# KiCad board PC110.kicad_pcb (continued)
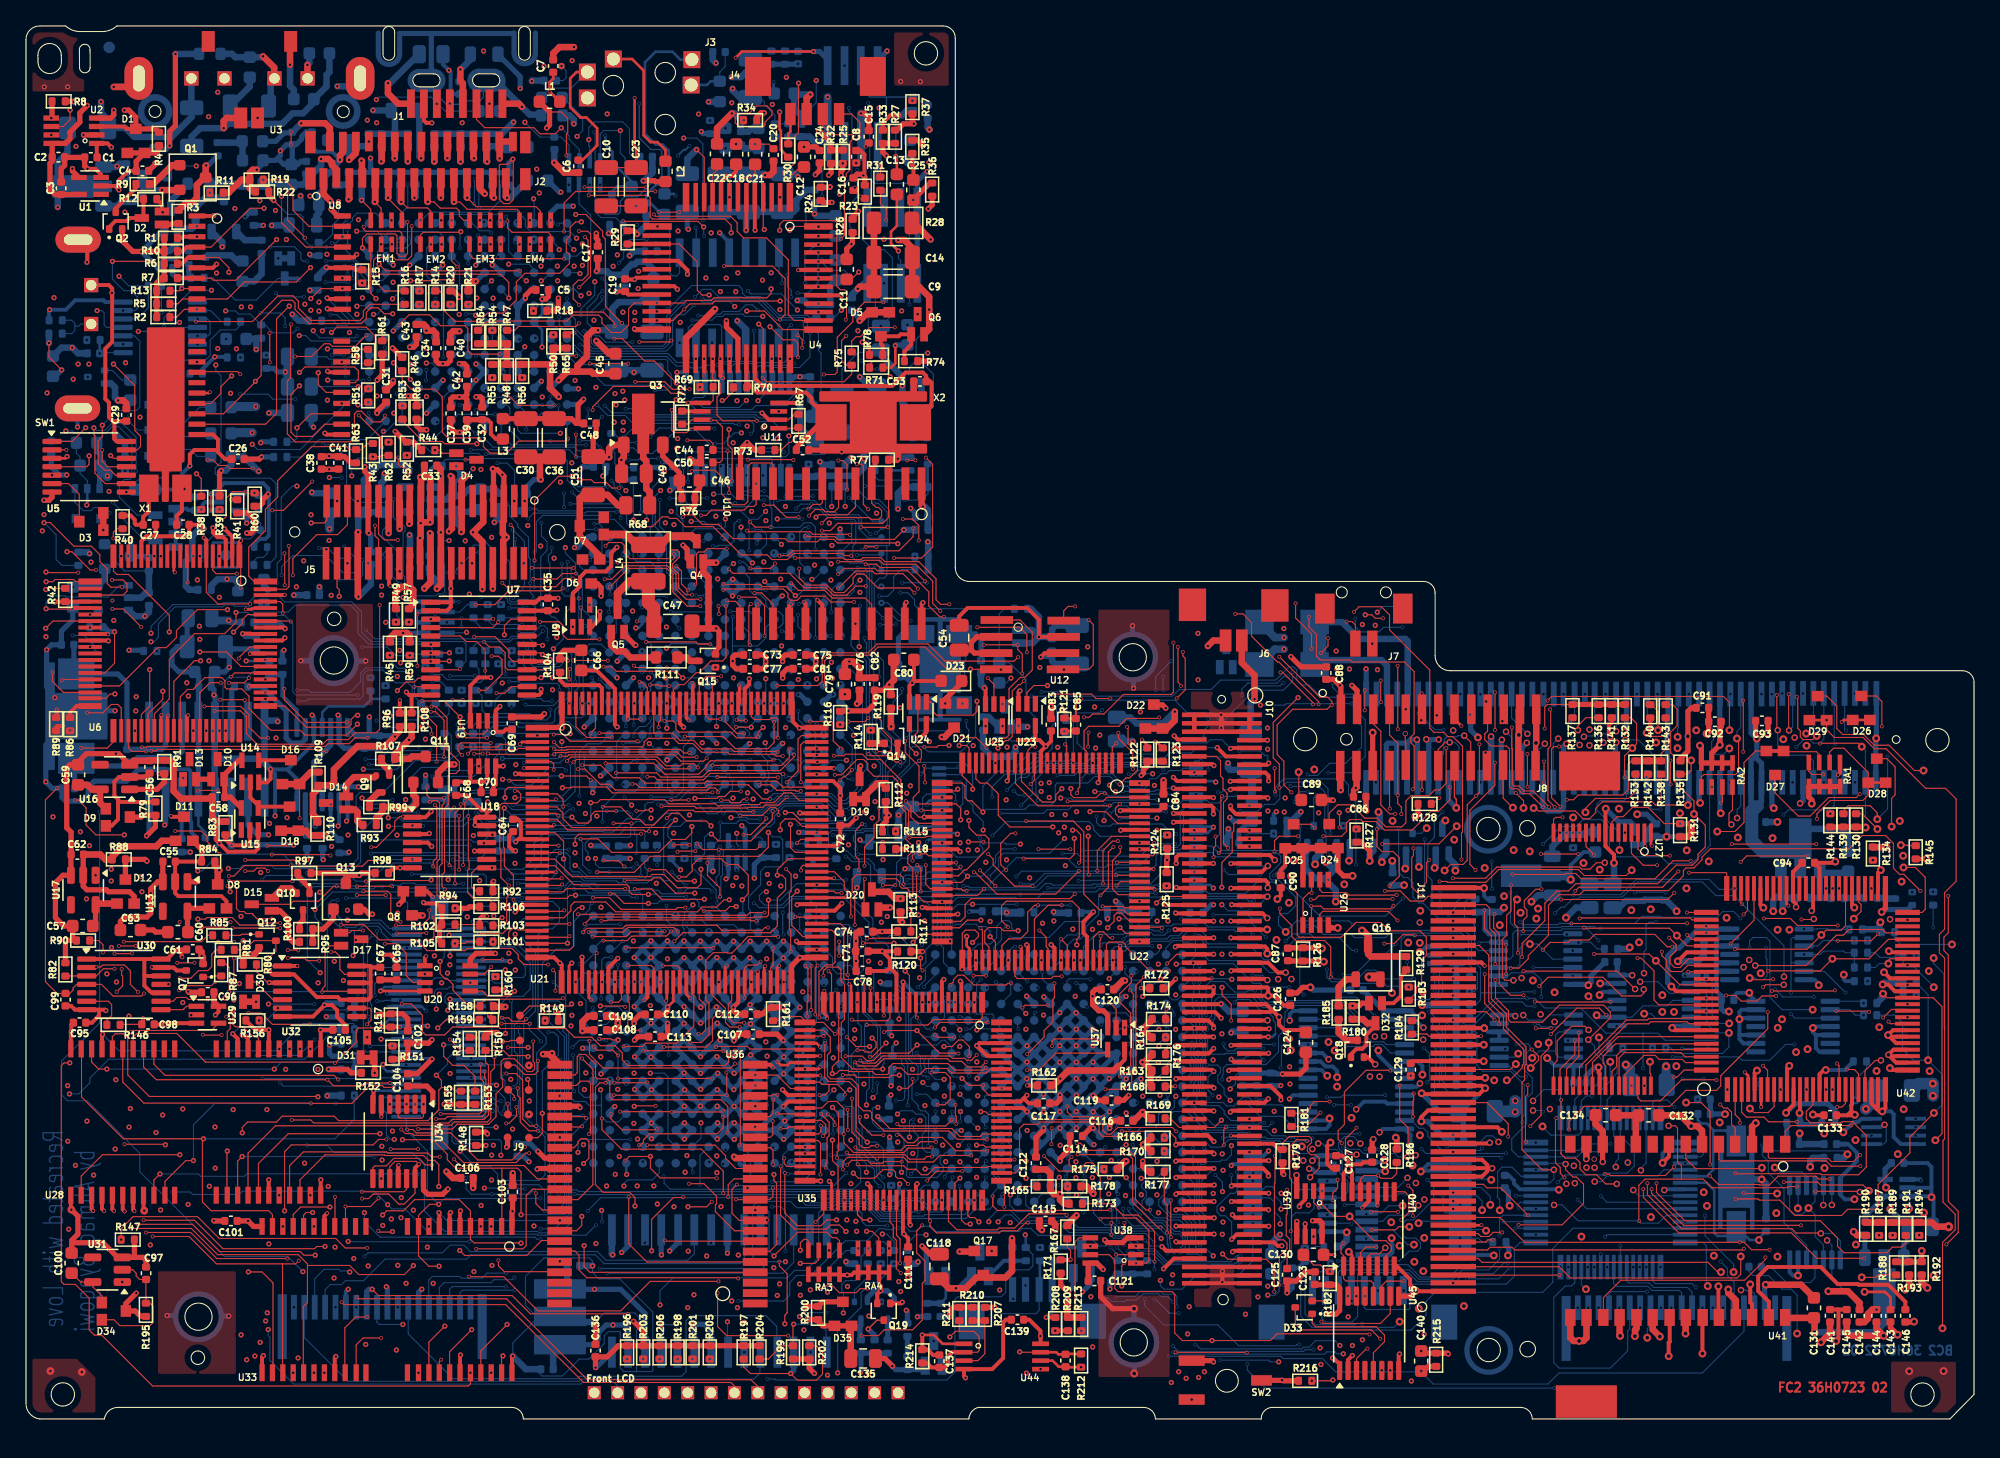
[diagram p0: board, top side]
## Routing (per net, layer and track width the routed paths; a pad name or vN(x,y) marks a point on that pad's centre or on a via; arc(x,y) is an arc through that point) (continued)
KB_SCLK_shift: length 39
  FC2 w0.08: v3(34.53,60.28) 36.14,60.28 37.2,59.22 37.2,58.69 37.51,58.39 U7.17 ; v3(32.26,40.82) 32.04,41.04 32.04,41.93 32.24,42.13 32.24,47.05 32.52,47.33 32.52,49.59 32.67,49.74 33.11,49.74 33.38,50.01 33.38,50.64 32.43,51.59 32.43,54.04 31.57,54.9 v3(31.24,54.9) ; v3(30.15,62.06) v3(30.15,58.04)
  FC2 w0.3: U7.17 40.25,58.39 v1(40.38,58.52) ; v3(31.33,40.23) 30.9,40.67 Q8.3
  FC1 w0.08: v3(30.15,58.04) 30.72,58.04 31.24,57.52 v3(31.24,54.9) ; v3(34.53,60.28) 34.53,61.24 33.71,62.06 v3(30.15,62.06) ; v3(32.26,40.82) 31.67,40.23 v3(31.33,40.23)
KB_SCRLED#: length 100.9
  FC2 w0.2: U21.53 49.36,32.28 v3(49.31,32.23)
  FC1 w0.08: v3(49.31,32.23) 49,31.92 49,29.9 49.65,29.25 49.65,24.55 49.45,24.35 49.45,23.31 49.63,23.13 49.63,17.19 49.91,16.91 v1(49.91,16.35)
  IC3 w0.08: v4(123.8,17.64) 121.95,15.79 117.22,15.79 115.03,17.98 107.91,17.98 107.67,17.74 97.33,17.74 97.03,18.04 96.36,18.04 96.06,18.34 95.19,18.34 93.27,20.26 92.81,20.26 92.28,20.79 91.08,20.79 89.39,19.1 75.27,19.1 73.58,17.41 50.97,17.41 v1(49.91,16.35)
  BC2 w0.08: 127.79,17.2 124.24,17.2 v4(123.8,17.64)
KB_Sound: length 112.6
  FC2 w0.08: v4(117.69,19.2) 116.78,19.2 115.23,20.75 115.23,25.93 115.44,26.14 115.44,27.2 115.55,27.31 115.54,27.31 115.54,28.68 114.02,30.2 114.02,31.22 112.87,32.37 112.87,37.24 112.34,37.77 v3(112.34,39.21) ; v3(93.15,62.04) 93.74,62.04 94.4,61.38 94.4,60.33 96.41,58.32 96.52,58.32 99.56,55.28 v3(99.56,55.08) ; v3(111.65,42.31) 111.22,42.74 111.22,45.27 111.21,45.31 111.21,45.61 111.22,45.65 111.22,46.91 113.14,48.83 v3(113.14,50.58)
  FC2 w0.2: R78.1 64.97,82.7 64.69,82.98 v1(64.41,82.98)
  FC1 w0.08: v3(93.15,62.04) 92.73,62.46 81.93,62.46 81.56,62.09 80.46,62.09 80.1,62.45 70.87,62.45 69.91,63.41 69.91,79.22 68.21,80.92 65.36,80.92 64.75,81.53 64.75,82.64 v1(64.41,82.98) ; v3(111.65,42.31) 111.65,39.52 111.96,39.21 v3(112.34,39.21) ; v3(99.56,55.08) 100.04,54.6 102.34,54.6 102.76,54.18 103.68,54.18 105.83,52.03 105.83,52.02 107.27,50.58 v3(113.14,50.58)
  BC2 w0.08: v4(117.69,19.2) 117.69,18.49 117.4,18.2 U67.58
KB_SPKDN: length 132.5
  FC2 w0.08: v3(63.28,23.83) 63.3,23.81 v3(63.3,22.26) ; v3(61.22,22.6) 61.22,22.12 61.06,21.96 U35.43
  FC1 w0.08: v3(63.28,23.83) 63.63,23.83 64.54,24.74 v1(64.54,25.81) ; v3(61.22,22.6) 61.9,22.6 62.24,22.26 v3(63.3,22.26)
  IC2 w0.08: v1(64.54,25.81) 65.27,25.81 66.57,24.51 69.21,24.51 70.05,25.35 71,25.35 71.55,24.8 71.55,23.57 71.94,23.18 79.61,23.18 83.34,19.45 88.5,19.45 89.63,18.32 89.63,15.3 91.59,13.34 93.2,13.34 94.05,14.19 94.05,14.43 95.25,15.63 96.13,15.63 v1(96.67,16.17)
  IC4 w0.08: v1(63.74,52.68) 63.14,52.68 62.1,51.64 62.1,42.28 64.99,39.39 64.99,36.24 65.62,35.61 66.07,35.61 66.42,35.26 66.42,33.3 64.51,31.39 64.51,25.84 v1(64.54,25.81)
  BC1 w0.08: v1(96.67,16.17) 97.15,15.69 97.15,14.65 98,13.8 98.53,13.8 98.88,13.45 98.88,7.91 v7(97.82,6.85) ; 64.55,25.82 v1(64.54,25.81)
  BC2 w0.08: 62.72,53.99 63.74,52.97 v1(63.74,52.68) ; v1(96.67,16.17) 96.67,16.7 96.18,17.19 96.18,17.73 96.01,17.9 95.5,17.9 95.29,17.69 U73.16 ; U67.30 119.17,14.7 117.6,13.13 117.6,10.53 116.83,9.76 108.54,9.76 107.85,9.07 107.85,8.01 106.69,6.85 v7(97.82,6.85)
KB_SPKUP: length 227.4
  FC2 w0.08: v3(58.45,18.96) 58.45,15.87 59.43,14.89 61.24,14.89 61.69,15.34 v1(62.44,15.34) ; v3(61.2,18.84) 61.2,21.27 61.01,21.46 U35.44
  FC1 w0.08: v3(58.45,18.96) 61.08,18.96 v3(61.2,18.84)
  IC1 w0.08: v1(74.88,15.19) 74.88,15.25 74.27,15.86 74.2,15.86 74.19,15.87 62.97,15.87 v1(62.44,15.34)
  IC3 w0.08: v1(62.44,15.34) 60.61,15.34 60.43,15.16 47,15.16 44.34,12.5 37.53,12.5 36.5,11.47 35.54,11.47 34.61,12.4 33.29,12.4 32.83,12.86 23.17,12.86 22.06,11.75 21.73,11.75 v1(21.33,11.35)
  BC1 w0.08: v7(93.5,12.08) 93.5,4.8 v7(94.08,4.22) ; v7(117.72,2.38) 117.72,12.47 118.6,13.35 122.19,13.35 122.55,13.71 126.31,13.71 v7(127.8,15.2) ; v7(5.67,46.77) 7.51,46.77 9.08,48.34 9.08,56.64 8.59,57.13 8.59,63.78 11.03,66.22 v7(13.63,66.22)
  BC2 w0.08: v7(93.5,12.08) 93.28,12.08 93.13,11.93 87.85,11.93 86.84,12.94 85.75,12.94 84.76,13.93 83.77,13.93 83.34,14.36 80.34,14.36 79.64,15.06 76.55,15.06 75.89,15.72 75.41,15.72 v1(74.88,15.19) ; v7(94.08,4.22) 94.08,3.76 95.46,2.38 v7(117.72,2.38) ; R268.1 17.93,69.18 18.08,69.03 Q27.3 17.94,68.49 17.28,67.83 16.7,67.83 16.44,68.09 14.44,68.09 13.63,67.28 v7(13.63,66.22) ; v1(21.33,11.35) 20.17,12.51 15.31,12.51 8.77,19.05 8.77,20.46 4.71,24.52 3.2,24.52 2.75,24.97 2.75,27.59 5.67,30.51 v7(5.67,46.77)
KB_SPKUP_DN: length 142.2
  IC1 w0.08: v1(62,64.64) 61.53,64.17 52.94,64.17 52.51,64.6 36.9,64.6 33.84,67.66 v1(33.84,67.67)
  IC3 w0.08: v1(14.62,81.22) 14.62,75.29 16.24,73.67 21.42,73.67 24.55,70.54 24.55,68.69 26.13,67.11 33.28,67.11 v1(33.84,67.67)
  IC3 w0.5: v1(62,64.64) 63.12,65.76 66.14,65.76 67.05,64.85 67.05,62.75 67.51,62.29 79.65,62.29 80.04,61.9 88.35,61.9 88.37,61.88 99.92,61.88 102.36,59.44 104.46,59.44 106.03,57.87 106.03,56.81 107.56,55.28 110.16,55.28 v4(112.85,52.59)
  BC2 w0.08: R262.1 18.64,65.81 19.26,66.43 19.26,72.08 18.84,72.5 14.92,72.5 14.57,72.85 14.57,73.28 15.02,73.73 15.02,80.4 14.62,80.8 v1(14.62,81.22)
  BC2 w0.5: v4(112.85,52.59) 112.85,49.08 J13.63
KB_SRDY#: length 136.3
  FC2 w0.08: v1(32.62,59.04) 32.62,59.04 v3(31.18,59.04)
  FC1 w0.08: v3(29.56,58.85) 29.95,58.85 30.14,59.04 v3(31.18,59.04)
  IC1 w0.08: v1(33.99,38.69) 34.1,38.69 34.71,38.08 38.07,38.08 38.77,37.38 43.21,37.38 44.16,36.44 58.58,36.44 58.88,36.74 58.88,37.03 58.94,37.09 58.94,41.01 59.16,41.23 60.58,41.23 64.63,37.19 66.13,37.19 66.61,37.67 69.06,37.67 72.03,34.7 88.89,34.7 89.25,35.06 95.15,35.06 96.04,34.17 96.04,33.66 96.23,33.47 98,33.47 98.91,32.56 103.44,32.56 105.46,30.54 105.46,28.88 106.05,28.29 109.16,28.29 112.12,31.25 113.85,31.25 114.35,31.75 117.29,31.75 118.99,30.05 118.99,29.44 119.67,28.76 120.93,28.76 121.16,28.99 v2(121.16,29.4)
  IC2 w0.08: v1(32.62,59.04) 32.06,59.04 31.67,58.65 31.67,57.67 32.06,57.28 32.06,50.51 33.21,49.36 33.21,39.47 v1(33.99,38.69)
  BC2 w0.08: v2(121.16,29.4) 121.16,28.29 121.42,28.03 122.41,28.03 122.57,27.87 122.57,26.68 122.21,26.32 122.21,25.03 121.79,24.61 121.79,23.2
KB_SRDY#_shift: length 110.1
  FC2 w0.08: U7.18 39.66,59.04 v1(39.79,58.9)
  IC1 w0.08: v1(39.79,58.9) 39.54,58.9 39.44,59 35.68,59 31.81,55.13 31.81,50.31 32.33,49.79 35.57,49.79 36.57,48.79 38.08,48.79 38.76,48.11 41.71,48.11 42.69,49.09 43.83,49.09 45.08,47.84 48.43,47.84 48.9,47.37 57.72,47.37 57.91,47.56 62.96,47.56 63.61,48.21 65.92,48.21 66.26,47.87 73.27,47.87 74.13,48.73 75.93,48.73 76.75,49.55 80.37,49.55 82.15,47.77 84.65,47.77 85.04,47.38 85.04,46.58 87.1,44.52 109.15,44.52 109.74,45.11 110.69,45.11 112.46,43.34 114.87,43.34 115.27,43.74 v2(115.83,43.74)
  BC1 w0.08: v7(119.16,44.02) 118.88,43.74 v2(115.83,43.74)
KB_TP139: length 57.5
  BC1 w0.08: v7(121.63,14.03) 120.71,14.03 120.25,14.49 118.55,14.49 117.21,13.15 117.21,3.98 116.15,2.92 v1(106.71,2.92) 106.25,2.46 95.94,2.46 94.41,3.99 94.41,8.99 93.92,9.48 93.92,15.07 94.18,15.33 94.18,16.06 v7(94.51,16.39)
  BC2 w0.08: v7(121.63,14.03) 121.8,14.2 U67.31
KB_TXD: length 19.3
  BC1 w0.08: v7(110.47,16.54) 110.47,17.14 111.29,17.96 117.35,17.96 117.63,18.24 v7(117.99,18.24)
  BC2 w0.08: v7(117.99,18.24) 118.56,18.81 121.52,18.81 121.66,18.95 123.34,18.95 123.88,19.49 123.88,20.73 123.89,20.74 122.8,21.83 U67.10 ; 110.53,16.62 110.47,16.56 v7(110.47,16.54)
KBCCS#: length 100.4
  FC1 w0.08: 66,16.82 66.79,16.03 66.79,13.77 67,13.56 67,12.86 64.45,10.31 64.45,7.76 63.55,6.86 v1(59.92,6.86)
  IC2 w0.08: v1(59.92,6.86) 60.74,6.86 61.22,7.34 61.22,15.35 61.79,15.92 79.47,15.92 80.84,14.55 85.53,14.55 86.36,13.72 86.36,10.1 86.86,9.6 89.81,9.6 91.42,7.99 92.7,7.99 93.63,8.92 93.63,9.77 94.67,10.81 113.19,10.81 120.2,17.82 v4(120.2,19.37)
  BC1 w0.08: v4(120.2,19.37) 119.83,19.37 119.68,19.52 119.68,20.3 120.8,21.42 v7(120.8,23.2)
  vias: v3(66.05,16.86)
LA17: length 115.9
  BC1 w0.08: v7(37.54,47.3) 37.54,46.45 36.84,45.75 36.45,45.75 35.88,45.18 35.88,44.07 v7(35.58,43.77) ; v7(21.66,21.09) 21.63,21.12 v7(21.63,42.08) ; v7(73.22,17.35) v7(70.68,17.35)
  BC1 w0.1: v7(46.01,52.1) 46,52.1 41.8,47.9 v7(41.8,47.3)
  BC2 w0.08: v7(21.63,42.08) 24.76,42.08 25.4,41.44 26.1,41.44 28.08,43.42 33.28,43.42 33.48,43.22 35.03,43.22 v7(35.58,43.77) ; v7(73.22,17.35) 73.23,17.35 U74.A4 ; v7(37.54,47.3) v7(41.8,47.3) ; v7(21.66,21.09) 23.19,21.09 23.75,20.53 29.74,20.53 30.69,19.58 30.69,16.03 32.27,14.45 39.4,14.45 39.51,14.34 41.2,14.34 41.98,15.12 41.98,17.52 42.11,17.65 42.44,17.65 42.57,17.52 65.06,17.52 66.21,16.37 66.9,16.37 67.54,17.01 68.88,17.01 69.74,16.15 70.28,16.15 70.68,16.55 v7(70.68,17.35)
  BC2 w0.1: 47.48,52.72 47.48,52.34 47.24,52.1 v7(46.01,52.1)
LA18: length 60.3
  IC2 w0.08: v1(67.15,21.34) 66.77,20.96 66.74,20.96 66.72,20.94 55.65,20.94 55.48,21.11 50.07,21.11 48.85,22.33 48.85,37.7 49.4,38.25 49.4,41.95 48.5,42.85 v1(48.5,45.17)
  BC1 w0.08: v7(47.08,50.78) 47.08,45.92 47.83,45.17 v1(48.5,45.17) ; v1(67.15,21.34) 67.15,20.3 67.52,19.93 69.49,19.93 69.85,20.29 74.77,20.29 v7(75.18,19.88)
  BC2 w0.08: v7(47.08,50.78) 46.8,50.78 46.21,50.19 46.21,50.18 ; v7(75.18,19.88) 75.11,19.81 75.11,19.3
LA19: length 71.3
  BC1 w0.08: v7(43.27,16.03) 43.24,16.06 v7(41.25,16.06) ; v7(43.61,39.75) 43.36,40 43.36,41.56 v7(43.97,42.17) ; v7(44.93,42.16) 45.23,42.46 45.23,45.63 45.47,45.87 45.47,48.35 v7(46.01,48.89)
  BC2 w0.08: v7(44.93,42.16) 44.92,42.17 v7(43.97,42.17) ; v7(43.61,39.75) 43.43,39.57 43.43,39.29 42.99,38.85 42.71,38.85 42.23,38.37 42.23,36.48 41.96,36.21 40.86,36.21 39.77,35.12 39.77,32.07 40.32,31.52 40.32,30.59 41.47,29.44 41.47,16.6 41.25,16.38 v7(41.25,16.06) ; U74.A3 72.58,15.99 72.34,15.75 69.26,15.75 69.14,15.63 65.9,15.63 64.75,16.78 62.3,16.78 61.99,16.47 60.09,16.47 59.51,17.05 44.27,17.05 43.27,16.05 v7(43.27,16.03)
LA20: length 61
  IC2 w0.08: v1(48.14,46.3) 48.14,45.51 48.01,45.38 48.01,42.84 49.15,41.7 49.15,38.58 48.64,38.07 48.64,22.21 49.94,20.91 55.27,20.91 55.43,20.75 67.49,20.75 67.89,21.15 70.56,21.15 v1(70.61,21.1)
  BC1 w0.08: v1(48.14,46.3) 47.83,46.3 47.75,46.38 47.75,50.66 v7(47.87,50.78) ; v7(76.47,22.09) 75.71,22.09 75.39,21.77 75.39,21.47 75.57,21.29 75.57,20.99 75.12,20.54 71.17,20.54 v1(70.61,21.1)
  BC2 w0.08: v7(76.47,22.09) 76.47,21.93 76.38,21.84 ; U61.D14 47.48,51.17 v7(47.87,50.78)
LA21: length 107.8
  BC1 w0.08: v7(61.12,17.21) 61.12,15.51 61.24,15.39 61.24,5.14 60.91,4.81 60.12,4.81 57.01,7.92 38.3,7.92 36.63,9.59 36.63,18.26 v7(36.75,18.38) ; v7(38.19,37.03) 38.19,39.22 37.85,39.56 37.7,39.56 37.48,39.78 v7(37.48,42) ; v7(46.19,45.52) 46.19,47.47 46.89,48.17 46.89,50.12 46.78,50.23 46.78,50.94 46.96,51.12 47.86,51.12 48.67,51.93 v7(48.67,52.48)
  BC2 w0.08: v7(37.48,42) 38.83,42 39.69,42.86 39.69,44.33 40.38,45.02 45.69,45.02 v7(46.19,45.52) ; v7(61.12,17.21) 61.3,17.21 61.44,17.35 64.99,17.35 66.15,16.19 66.97,16.19 67.61,16.83 68.76,16.83 69.64,15.95 70.52,15.95 71.3,16.74 ; v7(38.19,37.03) 39.24,35.98 39.24,31.42 38.34,30.52 38.34,29.07 38.24,28.97 38.24,25.16 38.33,25.07 38.33,23.38 39.98,21.73 39.98,18.81 39.55,18.38 v7(36.75,18.38) ; 48.75,52.72 48.67,52.64 v7(48.67,52.48)
LA22: length 82.6
  IC2 w0.08: v1(43.29,43.19) 43.29,42.66 44.76,41.19 44.76,29.28 43.89,28.41 43.89,18.05 46.89,15.05 49.06,15.05 50.29,13.82 50.29,7.55 51.12,6.72 56.27,6.72 57.87,8.32 v1(57.87,9.52)
  IC3 w0.08: v1(57.87,9.52) 58.27,9.12 64.44,9.12 64.92,8.64 v1(64.92,7.93)
  BC1 w0.08: v1(64.92,7.93) 65.94,7.93 66.45,8.44 66.45,12.09 66.6,12.24 66.6,14.49 67.81,15.7 68.05,15.7 69.71,17.36 v7(70.08,17.36) ; v7(47.52,46.05) 47.39,46.18 47.39,49.43 v7(47.47,49.51)
  BC2 w0.08: v7(47.47,49.51) 47.48,49.52 47.48,50.18 ; v7(70.08,17.36) 70.04,17.32 U74.A1 ; v7(47.52,46.05) 46.98,46.05 46.58,45.65 46.58,44.93 46.47,44.82 43.54,44.82 43.08,44.36 43.08,43.88 43.29,43.67 v1(43.29,43.19)
LA23: length 85.3
  BC1 w0.08: v7(75.69,19.75) 75.16,19.22 74.63,19.22 74.25,18.84 74.25,17.21 73.75,16.71 69.52,16.71 v7(68.76,15.95) ; v7(42.26,17.34) 41.04,17.34 v7(41.03,17.35) ; 40.66,25.59 v7(40.75,25.59) 39.32,25.59 39.22,25.49 37.9,25.49 37.83,25.56 v7(37.53,25.56) ; v7(44.41,46.02) 43.74,45.35 42.58,45.35 41.89,44.66 41.89,43.98 v7(41.79,43.88) ; v7(37.18,36.71) 37.18,41.53 v7(37.14,41.57)
  BC2 w0.08: v7(40.75,25.59) 40.72,25.56 40.72,17.66 v7(41.03,17.35) ; v7(37.53,25.56) 37.87,25.9 37.87,28.1 37.62,28.35 37.62,30.35 39.04,31.77 39.04,35.39 37.72,36.71 v7(37.18,36.71) ; v7(68.76,15.95) 68.27,15.95 68.12,15.8 66,15.8 64.83,16.97 62.19,16.97 61.88,16.66 60.39,16.66 59.76,17.29 42.31,17.29 v7(42.26,17.34) ; v7(41.79,43.88) 40.75,43.88 40.25,43.38 40.25,42.4 39.43,41.57 v7(37.14,41.57) ; 75.11,21.84 75.82,21.13 75.82,19.88 v7(75.69,19.75) ; 47.48,48.91 47.47,48.91 46.89,48.33 45.61,48.33 44.41,47.13 v7(44.41,46.02)
LCD_NC_L11: length 115.9
  FC2 w0.08: v3(68.32,39.99) 68.01,40.3 68.01,40.75 67.86,40.9 67.48,40.9 67.28,41.1 67.28,41.39 67.04,41.63 v3(65.83,41.63) ; v3(45.91,84.46) 44.63,85.74 44.63,90.93 44.42,91.14 44.42,91.53 43.13,92.82 v1(42.34,92.82) ; v3(56.89,60.36) 56.89,62.68 56.24,63.33 v3(54.91,63.33) ; v3(51.11,79.35) 49.79,79.35 49.21,79.93 v3(46.93,79.93) ; v3(64.41,45.85) 63.89,45.33 63.89,43.38 64.16,43.11 v3(64.16,42.29)
  FC1 w0.08: v3(56.89,60.36) 61.81,60.36 62.59,59.58 62.59,54.81 62.18,54.4 62.18,53.38 62.43,53.13 62.43,51.49 62.53,51.39 62.53,50.58 62.99,50.12 62.99,49.58 63.57,49 63.57,46.12 63.84,45.85 v3(64.41,45.85) ; v3(45.91,84.46) 45.9,84.45 45.9,80.96 v3(46.93,79.93) ; v3(64.16,42.29) 64.16,41.53 64.41,41.28 64.85,41.28 65.2,41.63 v3(65.83,41.63) ; v3(51.11,79.35) 51.44,79.02 51.44,74.58 54.02,72 54.13,72 54.49,71.64 54.49,66.49 54.91,66.07 v3(54.91,63.33) ; v3(71.55,32.11) 71.5,32.16 71.5,34.67 71.84,35.01 73.34,35.01 73.48,35.15 73.48,35.5 73.24,35.74 71.44,35.74 70.7,36.48 70.7,37.3 71,37.6 71,40.02 70.8,40.22 69.61,40.22 69.48,40.09 68.72,40.09 68.66,40.03 68.36,40.03 v3(68.32,39.99)
  IC3 w0.08: v1(42.34,92.82) 25.06,92.82 v1(24.07,93.81)
  BC1 w0.08: v7(23.24,98.55) 23.23,98.54 23.23,94.87 24.07,94.03 v1(24.07,93.81)
  BC2 w0.08: R229.1 22.97,90.67 23.61,91.31 23.61,92 24.07,92.46 v1(24.07,93.81)
LCD_STNDBY#: length 114.4
  FC2 w0.08: U35.93 74.26,26.96 73.96,26.66 71.3,26.66 70.95,27.01 69.31,27.01 68.86,26.56 67.9,26.56 67.42,27.04 v3(66.93,27.04)
  FC1 w0.08: v3(66.93,27.04) 66.93,28.35 67.03,28.45 v1(67.03,28.98)
  IC2 w0.08: v1(31.83,32.73) 31.6,32.73 31.01,33.32 31.01,36.59 32.13,37.71 34.5,37.71 34.97,38.18 34.97,39.92 33.88,41.01 33.88,50.4 37.28,53.8 37.28,58.5 36.43,59.35 36.43,62.26 37.84,63.67 37.84,73.28 35.66,75.46 35.29,75.46 34.96,75.79 34.96,76.59 35.19,76.82 40.33,76.82 40.33,76.79 v1(41.16,75.96)
  IC3 w0.08: v1(31.83,32.73) 31.83,32.68 32.54,31.97 32.79,31.97 32.8,31.98 32.84,31.98 32.93,32.07 36.71,32.07 36.59,32.07 37.02,32.5 38.52,32.5 39.03,33.01 44.19,33.01 45.91,31.29 64.18,31.29 64.19,31.3 67.45,31.3 67.7,31.05 67.7,29.65 v1(67.03,28.98)
  BC2 w0.08: U51.K13 37.87,76.22 38.13,75.96 v1(41.16,75.96)
  BC2 w0.2: v1(67.03,28.98) 66.74,28.69 R393.2
LCD_VAA: length 8.2
  FC2 w0.4: 23.91,96.29 J2.3
  FC2 w0.5: v1(22.73,97.1) 23.28,97.1 23.57,96.81 23.57,96.63 23.91,96.29
  BC2 w0.5: v1(22.73,97.1) 22.73,96.6 22.08,95.95 C179.1 21.58,95.39 21.32,95.13 C190.1 19.6,95.13 19.52,95.2 L15.1
M38_21: length 136.6
  FC1 w0.08: v3(13.89,53.04) 13.89,41.29 14.11,41.07 14.11,37.58 14,37.47 14,35.18 13.16,34.34 13.16,30.65 14.12,29.69 v1(14.12,17.93)
  IC3 w0.08: v1(14.12,17.93) 14.69,17.36 23.88,17.36 24.29,17.77 29.5,17.77 29.74,17.53 32.14,17.53 32.33,17.34 32.99,17.34 33.06,17.41 49.17,17.41 49.34,17.58 72.91,17.58 74.62,19.29 89.25,19.29 90.94,20.98 91.69,20.98 92.34,21.63 93.2,21.63 94.42,20.41 94.43,20.41 94.46,20.38 94.46,19.69 94.95,19.2 95.92,19.2 96.1,19.02 96.1,18.6 96.47,18.23 97.12,18.23 97.43,17.92 100.01,17.92 100.58,18.49 106.32,18.49 v4(106.41,18.58)
  BC2 w0.08: U72.21 105.67,17.84 v4(106.41,18.58)
M38_P14: length 138.5
  FC2 w0.08: U6.42 7.34,54.8 7.08,55.06 6.57,55.06 5.93,54.42 v3(4.71,54.42)
  FC1 w0.08: v1(5.21,18.79) 5.21,23.84 5.01,24.04 5.01,32.48 4.03,33.46 4.03,37.8 2.97,38.86 2.97,44.84 4.22,46.09 4.22,48.01 3.85,48.38 3.85,52.09 4.71,52.95 v3(4.71,54.42)
  IC3 w0.08: v1(5.21,18.79) 9.16,14.84 26.22,14.84 26.96,14.1 38.58,14.1 39.92,12.76 44.24,12.76 46.84,15.36 54.47,15.36 55.49,16.38 87.43,16.38 88.08,15.73 89.19,15.73 89.84,15.08 92.11,15.08 v1(92.2,15.17)
  BC1 w0.08: v7(94.51,18.34) 94.51,17.78 93.43,16.7 93.43,15.53 93.07,15.17 v1(92.2,15.17)
M38_P14_Buf: length 109
  FC2 w0.08: v3(58.6,49.06) 59.47,49.93 59.47,52.4 59.74,52.67 U21.107 ; v3(58.59,47.91) 57.99,47.31 56.92,47.31 56.74,47.13 55.59,47.13 55.54,47.08 51.63,47.08 51.5,47.21 v3(48.95,47.21)
  FC1 w0.08: v1(49.36,52.07) 48.95,51.66 v3(48.95,47.21) ; v3(58.6,49.06) 58.59,49.05 v3(58.59,47.91)
  IC2 w0.08: v1(70.84,19.83) 71.08,20.07 71.08,21.27 70.16,22.19 66.45,22.19 66.25,21.99 50.84,21.99 49.04,23.8 49.04,37.12 49.67,37.75 49.67,42.38 49.33,42.72 49.33,46.28 49.02,46.59 49.02,51.73 v1(49.36,52.07)
  IC3 w0.08: v4(98.84,19.28) 98.35,18.79 98.35,18.61 98.11,18.37 97.63,18.37 97.33,18.66 97.33,19.13 96.71,19.75 96.69,19.75 96.69,20.71 96.24,21.16 95.25,21.16 94.55,21.86 93.68,21.86 93.5,22.04 91.06,22.04 89.38,20.36 84.08,20.36 83.93,20.51 83.49,20.51 83.37,20.39 78.2,20.39 77.3,19.49 74.15,19.49 73.99,19.33 71.34,19.33 v1(70.84,19.83)
  BC2 w0.3: U73.3 99.36,18.99 99.07,19.28 v4(98.84,19.28)
M38_P15: length 161.7
  FC2 w0.08: U6.41 6.74,52.18 6.26,51.7 v3(4.26,51.7)
  FC1 w0.08: v3(4.26,51.7) 4.26,48.51 4.5,48.27 4.5,46.05 3.18,44.73 3.18,39.06 4.28,37.96 4.28,34.02 5.09,33.21 6.51,33.21 v1(6.97,33.67)
  IC2 w0.08: v1(95.65,9.54) 95.65,8.79 94.15,7.29 90.42,7.29 88.62,9.09 86.4,9.09 85.33,10.16 85.33,12.77 84.71,13.39 81.34,13.39 79.48,15.25 77.12,15.25 76.48,14.61 71.66,14.61 70.7,15.57 66.54,15.57 65.3,14.33 65.3,12.24 63.28,10.22 v1(63.28,10.21) ; v1(24.45,33.79) 24.49,33.75 24.49,32.74 24.33,32.58 24.33,15.34 29.22,10.45 v1(29.28,10.45)
  IC3 w0.08: v1(29.28,10.45) 29.79,10.96 31.88,10.96 32.32,10.52 37.61,10.52 37.96,10.87 57.12,10.87 57.35,11.1 61.25,11.1 62.14,10.21 v1(63.28,10.21) ; v1(24.45,33.79) 23.17,35.07 21.73,35.07 19.77,33.11 18.33,33.11 16.63,34.81 8.11,34.81 v1(6.97,33.67)
  BC1 w0.08: v7(99.22,17.26) 99.81,17.85 99.81,19.21 v7(100.23,19.64)
  BC2 w0.08: v7(99.22,17.26) 99.22,16.25 98.85,15.88 97.79,15.88 97.47,15.56 97.47,12.83 96.67,12.03 96.67,10.65 96.52,10.5 96.52,9.85 96.2,9.53 95.66,9.53 v1(95.65,9.54)
M38_P15_Buf: length 96.4
  FC2 w0.08: v3(58.13,19.47) 58.12,19.46 58.12,15.72 59.21,14.63 61.65,14.63 61.96,14.94 62.67,14.94 v1(63.16,14.45) ; v3(61.61,19.37) 61.61,19.72 61.7,19.81 61.7,21.66 61.86,21.82 61.86,22.87 v3(61.23,23.5) ; v3(56.48,48.87) 57.41,48.87 57.83,48.45 59.23,48.45 59.29,48.39 v3(59.67,48.39) ; v3(58.9,36.01) 58.9,37.69 58.8,37.79 58.8,40.54 58.94,40.68 58.94,41.98 v3(58.55,42.37) ; v3(60.51,34.92) 60.48,34.89 v3(60.48,31.51) ; v3(59.68,49.07) 59.68,51.96 59.89,52.17 U21.106
  FC1 w0.08: v3(59.68,49.07) 59.67,49.06 v3(59.67,48.39) ; v3(61.61,19.37) 61.51,19.47 v3(58.13,19.47) ; v3(58.9,36.01) 60.03,36.01 60.51,35.53 v3(60.51,34.92) ; v3(61.23,23.5) 61.45,23.72 61.45,25.57 61.22,25.8 60.87,25.8 60.6,26.07 60.6,30.74 60.48,30.86 v3(60.48,31.51) ; v3(56.48,48.87) 56.48,45.39 56.03,44.94 56.03,43.69 57.35,42.37 v3(58.55,42.37)
  IC1 w0.08: v1(74.16,15.2) 73.08,14.12 70.18,14.12 69.88,13.82 68.22,13.82 68.2,13.8 68.16,13.8 68.06,13.7 63.93,13.7 63.69,13.94 63.67,13.94 v1(63.16,14.45)
  BC1 w0.08: v7(94.53,18.96) 94.71,18.96 94.99,18.68 94.99,17.51 93.97,16.49 93.97,15.42 93.59,15.04 93.59,12.62 v7(93.55,12.58)
  BC2 w0.08: v7(93.55,12.58) 93.27,12.58 92.81,12.12 87.9,12.12 86.9,13.12 86.12,13.12 85.14,14.1 83.92,14.1 83.46,14.56 80.68,14.56 79.98,15.26 76.65,15.26 75.85,16.06 74.82,16.06 74.16,15.4 v1(74.16,15.2) ; v7(94.53,18.96) U73.18
M38_P16_R86: length 135.6
  FC2 w0.08: 3.4,53.06 v3(3.39,53.07) 3.39,53.04 R86.1 ; v3(3.77,47.7) 4.02,47.7 4.63,47.09 4.63,45.77 5.39,45.01 v1(7.57,45.01)
  FC2 w0.3: 3.41,53.09 v3(3.39,53.07)
  FC1 w0.08: v3(3.39,53.07) 3.36,53.04 3.36,48.11 v3(3.77,47.7)
  IC3 w0.08: v2(106.47,36.71) 105.59,36.71 105.12,36.24 100.81,36.24 99.99,37.06 98.6,37.06 97.48,38.18 94.39,38.18 93.97,37.76 90.43,37.76 89.8,37.13 79.81,37.13 79.41,37.53 77.13,37.53 76.8,37.2 76.13,37.2 75.4,37.93 71.56,37.93 69.38,40.11 66.09,40.11 63.78,37.8 46.15,37.8 45.98,37.97 38.83,37.97 38.55,38.25 30.43,38.25 29.97,38.71 29.97,39.98 25.37,44.58 24.13,44.58 23.92,44.79 19.93,44.79 18.4,43.26 11.8,43.26 11.4,43.66 8.12,43.66 7.57,44.21 v1(7.57,45.01)
  BC1 w0.08: v2(106.47,36.71) 106.47,39.04 107.03,39.6 v7(108.3,39.6) ; v7(109.11,46.76) 111.41,49.06 v7(112.03,49.06)
  BC2 w0.08: v7(109.11,46.76) 108.48,46.13 108.48,44.83 107.98,44.33 107.98,41.83 108.3,41.51 v7(108.3,39.6)
M38_P20: length 39.8
  FC2 w0.08: U6.38 2.89,55.99 2.05,56.83 v3(2.05,57.56)
  FC1 w0.08: v1(21.96,69.68) 21.96,70.26 22.44,70.74 v3(23.96,70.74) ; v1(1.26,68.44) 1.26,66.6 2.77,65.09 2.77,58.66 2.05,57.94 v3(2.05,57.56)
  IC3 w0.08: v1(21.96,69.68) 9.54,69.68 8.35,68.49 1.31,68.49 v1(1.26,68.44)
M38_P21: length 25
  FC2 w0.08: v1(15.52,62.37) 13.2,62.37 11.59,60.76 11.59,60.22 10.81,59.44 10.15,59.44 7.2,56.49 U6.37 ; J5.22 23.96,64.08 24.13,63.91 v1(24.13,63.39)
  IC3 w0.08: v1(24.13,63.39) 23.78,63.04 19.27,63.04 18.94,62.71 15.86,62.71 v1(15.52,62.37)
M38_P22_R88: length 142
  FC2 w0.3: v3(2.84,53.4) 2.4,53.4 2.32,53.32 R89.1
  FC2 w0.4: 2.39,53.09 2.37,53.07
  FC1 w0.08: v1(3.21,25.69) 3.21,26.4 2.89,26.72 2.89,35.44 2.2,36.13 2.2,45.38 2.88,46.06 2.88,53.36 v3(2.84,53.4)
  IC3 w0.08: v2(100.99,25.61) 100.65,25.95 100.03,25.95 99.36,26.62 99.36,26.93 98.4,27.89 97.03,27.89 96.83,27.69 94.83,27.69 94.26,28.26 92.32,28.26 92.18,28.12 89.82,28.12 88.41,26.71 72.51,26.71 72.01,27.21 69.41,27.21 69.2,27.42 65.71,27.42 64.96,26.67 64.96,25.64 64.13,24.81 40.59,24.81 40.41,24.99 34.64,24.99 33.93,25.7 27.8,25.7 27.6,25.9 26.56,25.9 26.35,25.69 v1(3.21,25.69)
  BC1 w0.08: v7(100.23,15.74) 100.81,16.31 100.81,20.68 101.1,20.97 101.1,24.58 101.01,24.67 101.01,25.59 v2(100.99,25.61)
M38_P27_KB_SPKDN: length 156.5
  FC2 w0.08: v3(4.03,65.22) 1.59,65.22 v1(1.54,65.27)
  FC1 w0.08: v3(4.03,65.22) 4.38,64.87 4.38,60.05 v3(4.94,59.49)
  IC2 w0.08: v1(1.54,65.27) 3.68,63.13 3.68,43.45 3.87,43.26 3.87,30.21 3.94,30.14 3.94,19.67 v1(3.81,19.54)
  IC3 w0.08: v1(3.81,19.54) 5.73,19.54 8.11,17.16 24.05,17.16 24.45,17.56 29.12,17.56 29.38,17.3 32.01,17.3 32.16,17.15 33.29,17.15 33.36,17.22 44.9,17.22 46.14,15.98 51.32,15.98 52.5,17.16 73.99,17.16 74.82,17.99 89.78,17.99 90.56,18.77 93.97,18.77 94.83,17.91 95.78,17.91 96.3,17.39 v1(96.68,17.39)
  BC1 w0.08: v7(100.23,18.34) 100.23,17.81 99.36,16.94 97.13,16.94 v1(96.68,17.39)
M38_P34: length 120.6
  FC1 w0.08: v1(13.39,60.08) 13.93,60.08 14.68,59.33 14.68,56.56 15.39,55.85 v3(15.39,53.04)
  IC3 w0.08: v1(13.39,60.08) 17.42,60.08 19.37,62.03 21.22,62.03 22.74,60.51 28.34,60.51 28.72,60.13 34.18,60.13 36.57,57.74 41.05,57.74 42.55,56.24 64.83,56.24 65.83,57.24 68.67,57.24 68.88,57.03 73.98,57.03 74.54,57.59 76.15,57.59 78.08,55.66 80.45,55.66 81.84,54.27 85,54.27 85.95,53.32 91.42,53.32 91.94,52.8 93.14,52.8 95.09,54.75 v1(95.09,55.01)
  BC1 w0.08: v7(10.08,59.18) 11.44,59.18 12.34,60.08 v1(13.39,60.08) ; v7(102.12,55.12) 104.59,55.12 106.22,53.49 108.74,53.49 109.55,54.3 112.23,54.3 112.83,54.9 v7(112.83,55.86)
  BC2 w0.08: v7(102.12,55.12) 97.06,55.12 96.95,55.01 v1(95.09,55.01)
M38_P35: length 137.3
  FC2 w0.08: v3(16.03,36.77) 16.02,36.78 v3(14.81,36.78) ; v3(16.03,35.51) 16.01,35.49 v1(16.01,32.29)
  FC1 w0.08: v3(16.03,36.77) v3(16.03,35.51) ; v3(14.81,36.78) 14.81,37.24 14.92,37.35 14.92,38.86 14.51,39.27 14.51,41.4 14.28,41.63 14.28,51.63 14.89,52.24 v3(14.89,53.04)
  IC3 w0.08: v4(103.9,29.47) 103.36,29.47 100.97,31.86 96.13,31.86 95.85,31.58 91.63,31.58 89.29,29.24 87.03,29.24 85.75,27.96 72.96,27.96 72.85,27.85 70.67,27.85 70.5,28.02 64.35,28.02 63.71,28.66 56.65,28.66 56.54,28.78 44.65,28.78 43.28,30.14 43.28,32.13 42.71,32.7 40.19,32.7 38.65,31.16 29.9,31.16 28.56,32.5 27.02,32.5 26.68,32.84 16.56,32.84 v1(16.01,32.29)
  BC1 w0.08: v7(106.23,17.36) 106.6,17.73 107.99,17.73 108.26,18 108.26,26.49 107.75,27 106.23,27 103.9,29.33 v4(103.9,29.47)
  BC2 w0.08: v7(106.23,17.36) 105.77,17.36 105.6,17.19 U72.20
M38_P36: length 127.1
  FC1 w0.08: v3(14.39,53.04) 14.39,52.29 14.1,52 14.1,41.4 14.29,41.21 14.29,37.39 14.19,37.29 14.19,35.05 13.37,34.23 13.37,30.82 14.33,29.86 14.33,24.9 15.39,23.84 v1(15.96,23.84)
  IC3 w0.08: v4(102.78,21.22) 102.07,21.93 96.91,21.93 96.81,21.83 95.88,21.83 95.27,22.44 94.02,22.44 93.79,22.67 90.3,22.67 90.06,22.43 84.22,22.43 83.62,21.83 68.73,21.83 68.14,22.42 47.76,22.42 47.45,22.73 47.45,23.15 47.13,23.47 47.06,23.47 47.05,23.46 46.45,23.46 46.42,23.43 46.39,23.43 45.92,22.96 39.23,22.96 38.84,23.35 16.45,23.35 v1(15.96,23.84)
  BC2 w0.08: U72.22 102.05,18.49 101.38,19.15 101.38,20.57 101.11,20.84 101.11,21.3 101.58,21.77 102.23,21.77 v4(102.78,21.22)
M38_P41: length 62.1
  FC2 w0.08: v6(6.64,64.66) 7.48,64.66 7.78,64.36 7.78,63.79 7.48,63.49 U6.23